# Allegro board 20250806_UNOQ.brd (continued)
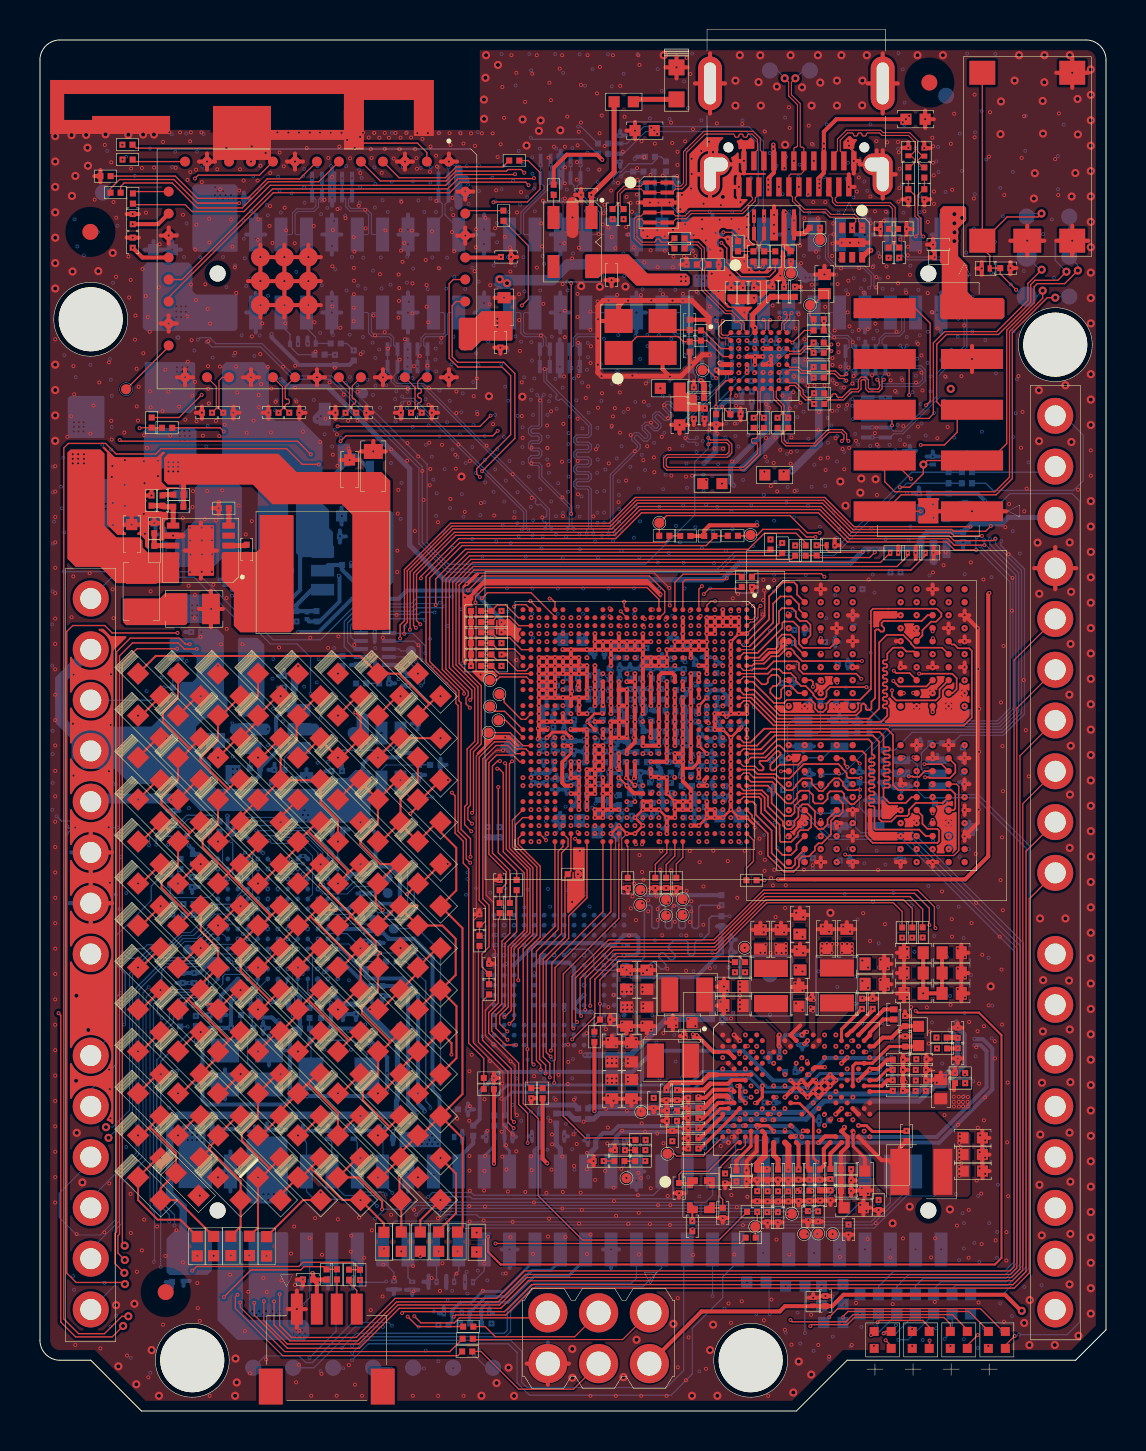
[diagram p0: board, top side]
## Placement (name value [footprint] x y rotation side) (continued)
R2661  220K  [R0201_H030]  32.61 57.35 270 top
R2664  220K  [R0201_H030]  43.45 60.86 0 top
R2665  220K  [R0201_H030]  44.25 60.86 0 top
R2666  2.2K  [R0201_H030]  33.53 13.54 270 bottom
R2667  2.2K  [R0201_H030]  35.57 13.54 270 bottom
R2668  0  [R0201_H030]  36.6 13.54 270 bottom
R2669  0  [R0201_H030]  34.55 13.54 270 bottom
R2670  0  [R0201_H030]  45.11 18.68 90 top
R2671  0  [R0201_H030]  45.14 18.14 90 top
R2701  22  [R0402_H040]  21.85 8.44 180 top
R2702  22  [R0402_H040]  20.89 8.47 180 top
R2703  22  [R0402_H040]  19.95 8.47 180 top
R2704  22  [R0402_H040]  17.21 8.46 180 top
R2705  22  [R0402_H040]  18.08 8.47 180 top
R2706  22  [R0402_H040]  7.87 8.24 180 top
R2707  22  [R0402_H040]  11.34 8.24 180 top
R2708  22  [R0402_H040]  10.48 8.26 180 top
R2709  22  [R0402_H040]  9.55 8.26 180 top
R2710  22  [R0402_H040]  8.69 8.25 180 top
R2711  22  [R0402_H040]  19.03 8.47 180 top
R2712  1K  [R0201_H030]  42.2 32.8 180 bottom
R2713  1K  [R0201_H030]  45.4 33.4 90 bottom
R2714  1K  [R0201_H030]  41.5 34.2 180 bottom
R2715  1K  [R0201_H030]  40.1 35.4 90 bottom
R2716  1K  [R0201_H030]  39.1 31.6 180 bottom
R2717  1K  [R0201_H030]  41.6 31.7 180 bottom
R2723  1.1K_1%  [R0402_H040]  46.56 5.34 0 bottom
R2724  820  [R0402_H040]  45.64 5.34 0 bottom
R2725  1.1K_1%  [R0402_H040]  41.95 5.34 0 bottom
R2726  1.1K_1%  [R0402_H040]  42.87 5.34 0 bottom
R2727  820  [R0402_H040]  44.72 5.34 0 bottom
R2728  1.1K_1%  [R0402_H040]  43.8 5.34 0 bottom
R2729  1.1K_1%  [R0402_H040]  39.11 5.76 0 bottom
R2730  820  [R0402_H040]  37.79 6.25 90 bottom
R2731  1.1K_1%  [R0402_H040]  35.85 6.44 90 bottom
R2732  1.1K_1%  [R0402_H040]  41.03 5.34 0 bottom
R2733  820  [R0402_H040]  40.18 5.84 0 bottom
R2734  1.1K_1%  [R0402_H040]  39.7 4.43 90 bottom
R2735  330  [R0402_H040]  29.21 65.49 90 top
R2801  10K_1%  [R0201_H030]  11.94 40.04 90 bottom
R2802  499K_1%  [R01005_H020]  13.36 39.78 0 bottom
R2803  95.3K_1%  [R0201_H030]  12.83 39.75 180 bottom
R2804  10K_1%  [R0201_H030]  10.75 32.15 90 bottom
R2805  453K_1%  [R0201_H030]  11.6 31.18 0 bottom
R2806  100K  [R0201_H030]  11.98 32.07 90 bottom
R2807  0  [R1206_H080]  7.7 41.5 180 bottom
R2808  10K_1%  [R0201_H030]  15.37 42.32 90 bottom
R2809  10K_1%  [R0201_H030]  14.22 46.58 270 bottom
R2810  10K_1%  [R0201_H030]  17.19 41.62 0 bottom
R2811  301K_1%  [R0201_H030]  5.72 43.02 180 top
R2812  100K  [R0201_H030]  5.72 44.16 180 top
R2813  0  [R0201_H030]  9.2 45.16 270 top
R2814  100K  [R0201_H030]  6.92 45.23 270 top
R2815  19.1K_1%  [R0201_H030]  5.58 45.54 180 top
R2816  1K  [R0201_H030]  6.93 45.84 270 top
R2817  0  [R0603_H060]  8.9 31.84 90 bottom
R2901  0  [R0201_H030]  23.73 62.55 270 top
R2902  0  [R0201_H030]  3.78 60.94 90 top
R2903  0  [R0201_H030]  5.59 49.44 180 top
R2904  0  [R0201_H030]  4.38 63.34 90 top
R2905  0  [R0201_H030]  4.38 62.6 90 top
R2906  0  [R0201_H030]  4.65 60.65 180 top
R2908  0  [R0201_H030]  23.19 59.79 180 top
R2909  0  [R0201_H030]  3.28 61.77 90 top
R3001  1M  [R0201_H030]  33.83 49.61 0 top
R3002  1M  [R0201_H030]  34.8 49.86 90 top
R3003  0  [R0201_H030]  34.93 58.27 0 top
R3004  0  [R0201_H030]  36.79 57.76 180 top
R3005  0  [R0201_H030]  37.56 57.76 180 top
R3006  0  [R0201_H030]  38.77 59.19 270 top
R3007  1M  [R0201_H030]  33.07 53.8 0 top
R3009  0  [R0402_H040]  39.05 51.38 0 bottom
R3010  0  [R0402_H040]  33.64 46.39 270 top
R3011  0  [R0402_H040]  36.75 46.82 270 top
R3012  0  [R0402_H040]  36.87 50.75 90 bottom
R3013  0  [R0402_H040]  31.52 51.16 90 top
R3014  0  [R0201_H030]  34.67 43.78 90 top
R3015  0  [R0201_H030]  31.24 43.78 270 top
R3016  0  [R0201_H030]  37.14 43.17 180 top
R3017  0  [R0201_H030]  37.79 43.04 180 top
R3018  0  [R0201_H030]  36.55 43.34 180 top
R3019  39.2K_1%  [R0201_H030]  32.97 50.67 90 top
R3020  5.6K_1%  [R0201_H030]  32.97 51.21 270 top
R3022  2.2K  [R0201_H030]  35.85 52.15 90 bottom
R3023  2.2K  [R0201_H030]  38.96 54.61 270 top
R3024  10K_1%  [R0201_H030]  25.7 61.09 0 top
R3025  4.7K  [R0201_H030]  38.96 54.05 270 top
R3026  2.2K  [R0201_H030]  32.29 43.77 270 top
R3027  2.2K  [R0201_H030]  33.49 43.77 90 top
R3028  0  [R0201_H030]  35.37 41.73 270 top
RT701  NCP03WF104F05RL  [TRES0201_H030]  39.24 14.53 90 bottom
RT1901  NCP03WF104F05RL  [TRES0201_H030]  41.96 10.31 0 top
SB701  SB2P  [SB0201]  36.19 15.44 180 top
SB1001  SB2P  [SB0201]  30.75 20.04 90 top
SB1002  SB2P  [SB0201]  30.78 19.52 90 top
SB1003  SB2P  [SB0201]  29.99 17.62 90 top
SB1004  SB2P  [SB0201]  29.99 18.13 90 top
SB1701  SB2P  [SB0201]  26.99 29.02 0 top
SB1702  SB2P  [SB0201]  26.44 29.02 0 top
SB1801  SB2P  [SB0201]  26.75 38.85 0 top
SB1802  SB2P  [SB0201]  26.3 38.85 0 top
SB2801  SB2P  [SB0201#2]  11.97 39.19 90 bottom
SOC1  QRB-2210-0-NSP752-TR-00-0  [BGA752_120X124_0D4_H10]  29.77 34.28 90 top
TP601  TP  [TP20MIL]  38.94 8.88 0 top
TP602  TP  [TP20MIL]  38.23 8.85 0 top
TP701  TP  [TP20MIL]  31.4 12.87 0 top
TP702  TP  [TP20MIL]  29.34 11.65 0 top
TP703  TP  [TP20MIL]  39.66 8.85 0 top
TP704  TP  [TP20MIL]  37.62 9.87 0 top
TP705  TP  [TP20MIL]  30.09 14.96 0 top
TP706  TP  [TP20MIL]  35.79 9.22 0 top
TP1203  TP  [TP20MIL]  32.16 24.81 0 top
TP1204  TP  [TP20MIL]  32.16 25.61 0 top
TP1205  TP  [TP20MIL]  31.33 25.58 0 top
TP1206  TP  [TP20MIL]  31.33 24.78 0 top
TP1207  TP  [TP32MIL_OSP]  10.67 2.17 180 bottom
TP1208  TP  [TP32MIL_OSP]  12.67 2.17 180 bottom
TP1209  TP  [TP32MIL_OSP]  14.67 2.17 180 bottom
TP1210  TP  [TP32MIL_OSP]  16.67 2.17 180 bottom
TP1211  TP  [TP32MIL_OSP]  18.67 2.17 180 bottom
TP1212  TP  [TP32MIL_OSP]  20.67 2.17 180 bottom
TP1213  TP  [TP32MIL_OSP]  22.67 2.17 180 bottom
TP1301  TP  [TP20MIL]  35.26 23.17 0 top
TP1310  TP  [TP20MIL]  22.99 35.86 90 top
TP1311  TP  [TP20MIL]  22.45 33.93 90 top
TP1313  TP  [TP20MIL]  22.94 34.55 90 top
TP1314  TP  [TP20MIL]  22.52 35.24 90 top
TP1315  TP  [TP20MIL]  22.51 36.56 0 top
TP1501  TP  [TP20MIL]  30.04 25.32 0 top
TP1502  TP  [TP20MIL]  30.04 26.07 0 top
TP2501  TP  [TP20MIL]  17.4 26.67 0 bottom
TP2502  TP  [TP20MIL]  18.56 38.02 270 bottom
TP2503  TP  [TP20MIL]  17.4 25.91 0 bottom
TP2504  TP  [TP20MIL]  17.7 24.13 270 bottom
TP2506  TP  [TP20MIL]  7.41 23.08 270 bottom
TP2602  TP  [TP20MIL]  6.65 36.94 180 bottom
TP2603  TP  [TP20MIL]  6.31 42.62 180 bottom
TP2610  TP  [TP32MIL_OSP]  23.6 33.26 180 bottom
TP2611  TP  [TP32MIL_OSP]  51.5 55.75 180 bottom
TP2612  TP  [TP32MIL_OSP]  36.52 67.05 180 bottom
TP2613  TP  [TP32MIL_OSP]  38.52 67.05 180 bottom
TP2614  TP  [TP32MIL_OSP]  49.37 59.75 180 bottom
TP2615  TP  [TP40MIL]  49.37 55.75 180 bottom
TP2616  TP  [TP40MIL]  49.37 57.75 180 bottom
TP2617  TP  [TP32MIL_OSP]  51.5 59.75 180 bottom
TP2618  TP  [TP32MIL_OSP]  51.5 57.75 180 bottom
TP2901  TP  [TP20MIL]  4.31 51.11 0 top
TP3001  TP  [TP20MIL]  16.17 50.9 180 bottom
TP3002  TP  [TP20MIL]  35.55 43.82 0 top
TP3003  TP  [TP20MIL]  30.99 44.43 0 top
TP3004  TP  [TP20MIL]  37.58 56.91 0 top
TP3005  TP  [TP20MIL]  39.03 58.58 0 top
TP3006  TP  [TP20MIL]  38.53 55.32 0 top
TP3007  TP  [TP20MIL]  33.15 52.07 0 top
U1101  TXS0104ERUTR_QFN12P  [QFN12P_20X17_04_H060]  16.75 38.12 180 bottom
U1102  TXS0101DBVR_SOT23_6P  [SOT23_6P_29X28_H150]  17.09 32.69 90 bottom
U2501  74LVC1G3157DW-7_SOT363_6P  [SOT363_6P_21X20_H110]  44.71 44.01 270 bottom
U2601  RCLAMP0524PATCT  [DFN10P_25X10_05_H070_SE]  30.95 60.45 180 top
U2602  RCLAMP0524PATCT  [DFN10P_25X10_05_H070_SE]  36.73 59.33 270 top
U2604  RCLAMP3654PATCT_DFN6P  [DFN6P_16_PAD13X05_05H070P13X045]  40.64 58.45 90 top
U2605  RCLAMP0524PATCT  [DFN10P_25X10_05_H070_SE]  14.62 61.22 90 bottom
U2606  RCLAMP0524PATCT  [DFN10P_25X10_05_H070_SE]  33.63 52.68 270 bottom
U2607  RCLAMP0522P.TCT  [DFN6P_16X10_05_H070]  20.44 61.22 90 bottom
U2608  RCLAMP0524PATCT  [DFN10P_25X10_05_H070_SE]  26.05 62.12 90 bottom
U2609  RCLAMP0524PATCT  [DFN10P_25X10_05_H070_SE]  18.39 52.68 270 bottom
U2610  RCLAMP0524PATCT  [DFN10P_25X10_05_H070_SE]  26.01 52.68 270 bottom
U2611  RCLAMP0524PATCT  [DFN10P_25X10_05_H070_SE]  41.86 49.7 0 bottom
U2612  RCLAMP0524PATCT  [DFN10P_25X10_05_H070_SE]  41.3 52.58 270 bottom
U2801  TPS62A02APDDCR_SOT23_6P  [SOT23_6P_29X28_H110]  12.92 42.03 180 bottom
U2802  TPS62A02APDDCR_SOT23_6P  [SOT23_6P_29X28_H110]  11.74 34.1 180 bottom
U2803  LMR51440SDRRR_DFN12P  [DFN12_30_0D5_H08_P25X13_DRR]  8.05 43.04 0 top
U2901  WCBN3536A_MODULE51P  [MODULE51_160X120_1D1_H26_LITEON]  13.86 57.13 90 top
U3001  ANX7625BN-AC-R_BGA64P  [BGA64P_40_04_H090]  35.97 52.54 180 top
U3004  TPS7A2030PDBVR_SOT23_5P  [SOT23_5P_29X28_H150]  26.65 58.48 270 top
Y701  38.4M_X1.6X1.2  [XTAL4P_16X12_H070_TXC]  33.07 10.79 180 top
Y2501  16M_X3.2X2.5  [XTAL4P_32X25_H080]  10.36 17.19 270 bottom
Y2502  32.768K_X3.2X1.5  [XTAL2P_32X15_H090]  14.96 16.87 270 bottom
Y3001  27M_X3.2X2.5  [XTAL4P_32X25_H080_HOSONIC]  30.05 53.73 270 top

## Library data of the parts
ANT1 = CLIP2P
C501-C514 C601-C610 C701-C721 C801-C832 C901 C902 C1001-C1012 C1101-C1106 C1201-C1203 C1601-C1604 C1701-C1725 C1727-C1743 C1801-C1831 C1833-C1851 C1901-C1940 C2101-C2107 C2201-C2220 C2501-C2529 C2601-C2605 C2607-C2611 C2614-C2633 C2701-C2706 C2801-C2816 C2901 C2907 C2909 C2911 C2912 C2921-C2924 C3001-C3018 C3021 C3022 C3025-C3028 = CAP_NP
C3019 C3020 = CAP_NP: signal model: CAP_NP_78.10423.L15_C0201_H030__100NF/10V
D2801-D2803 = DIODE_SCHOTTKY
D26001-D26003 D26005-D26009 D26017 D26046-D26051 D26063-D26067 D26069-D26076 D26087-D26094 D26097 D26099-D26105 = DIODE_ESD_BI
D26201 = PJGBLC24C_SOD323FL
D27001-D27104 D27201 = LED
D27301 D27302 D27401 D27402 = LED4P_RED_BLU_GRN_A1
DRAM1 = MT53E512M32D1ZW-046_WT_B
EMMC1 = EMMC16G-MW28-GA01_BGA153P
F501 = BEAD
JANALOG1 = WTB14P_NP2P_0
JBTN1 = TS-A57AHNP-2-W-S085_SW5P
JCTL1 = HEAD2X5P
JDIGITAL1 = HEAD20P_1
JMEDIA1 JMISC1 = HEAD2X30P_F_R
JSPI1 = HEAD2X3P_M
JUSB1 = USB3-24CSW-R9H-H_USB2X12P
L601 L2801 L2802 = L
L1001-L1004 L2803 = CHOKE
MCU1 = STM32U585AII6TR_BGA169P_2
PMIC1 = PM-4125-3-NSP194-TR-01-0_11
Q2707-Q2709 = NPNX2_E2B2C1E1B1C2
Q2801 = PMOSFET_GSD
Q2802 = NPN_BEC
QWIIC1 = WTB4P_NP2P
R501-R503 R601 R603-R607 R701-R703 R705-R709 R901 R902 R1101 R1102 R1201-R1206 R1208 R1301-R1321 R1401 R1522 R1601 R1602 R2113 R2114 R2201 R2202 R2501-R2509 R2511-R2516 R2605-R2619 R2621-R2626 R2631-R2646 R2660 R2661 R2664-R2671 R2701-R2717 R2723-R2735 R2801-R2817 R2901-R2906 R2908 R2909 R3001-R3007 R3009-R3020 R3022-R3028 = RES
R1207 = RES: signal model: RES_63.22038.1F1_R0201_H030_22__22
R1501-R1510 = RES: signal model: RES_DNP_63.R0038.1F1_R0201_H030_0
RT701 RT1901 = TRES
SB701 SB1001-SB1004 SB1701 SB1702 SB1801 SB1802 SB2801 = SB2P
SOC1 = QRB-2210-0-NSP752-TR-00-0_43
TP601 TP602 TP701-TP706 TP1203-TP1213 TP1301 TP1310 TP1311 TP1313-TP1315 TP1501 TP1502 TP2501-TP2504 TP2506 TP2602 TP2603 TP2610-TP2618 TP2901 TP3001-TP3007 = TP
U1101 = TXS0104ERUTR_QFN12P
U1102 = TXS0101DBVR_SOT23_6P
U2501 = 74LVC1G3157DW-7_SOT363_1
U2601 U2602 U2605 U2606 U2608-U2612 = RCLAMP0524PATCT_DFN10P
U2604 = RCLAMP3654PATCT_DFN6P
U2607 = RCLAMP0522P.TCT_DFN6P
U2801 U2802 = TPS62A02APDDCR_SOT23_6P
U2803 = LMR51440SDRRR_DFN12P_1
U2901 = WCBN3536A_MODULE51P
U3001 = ANX7625BN-AC-R_BGA64P
U3004 = TPS7A2030PDBVR_SOT23_5P
Y701 = OW38470002_XTAL4P
Y2501 Y3001 = XTAL4P_P13
Y2502 = XTAL

## Footprints (pads in the part's own frame, mm; a bottom-side part is the same pattern mirrored in y, then rotated)
ANT2_1920X400
  rect 1x0.5 smd: 1(0,0)
  custom 1x1 smd: 2(-5.6,-0.25)
BEAD0402_H060
  rect 0.559x0.559 smd: 1(0,0.483) 2(0,-0.483)
BGA64P_40_04_H090
  round 0.25 smd: A1(1.4,-1.4) A2(1,-1.4) A3(0.6,-1.4) A4(0.2,-1.4) A5(-0.2,-1.4) A6(-0.6,-1.4) A7(-1,-1.4) A8(-1.4,-1.4) B1(1.4,-1) B2(1,-1) B3(0.6,-1) B4(0.2,-1) B5(-0.2,-1) B6(-0.6,-1) B7(-1,-1) B8(-1.4,-1) C1(1.4,-0.6) C2(1,-0.6) C3(0.6,-0.6) C4(0.2,-0.6) C5(-0.2,-0.6) C6(-0.6,-0.6) C7(-1,-0.6) C8(-1.4,-0.6) D1(1.4,-0.2) D2(1,-0.2) D3(0.6,-0.2) D4(0.2,-0.2) D5(-0.2,-0.2) D6(-0.6,-0.2) D7(-1,-0.2) D8(-1.4,-0.2) E1(1.4,0.2) E2(1,0.2) E3(0.6,0.2) E4(0.2,0.2) E5(-0.2,0.2) E6(-0.6,0.2) E7(-1,0.2) E8(-1.4,0.2) F1(1.4,0.6) F2(1,0.6) F3(0.6,0.6) F4(0.2,0.6) F5(-0.2,0.6) F6(-0.6,0.6) F7(-1,0.6) F8(-1.4,0.6) G1(1.4,1) G2(1,1) G3(0.6,1) G4(0.2,1) G5(-0.2,1) G6(-0.6,1) G7(-1,1) G8(-1.4,1) H1(1.4,1.4) H2(1,1.4) H3(0.6,1.4) H4(0.2,1.4) H5(-0.2,1.4) H6(-0.6,1.4) H7(-1,1.4) H8(-1.4,1.4)
BGA153P_130X115_05_H090
  round 0.25 smd: A1(3.25,-3.25) A2(2.75,-3.25) A3(2.25,-3.25) A4(1.75,-3.25) A5(1.25,-3.25) A6(0.75,-3.25) A7(0.25,-3.25) A8(-0.25,-3.25) A9(-0.75,-3.25) A10(-1.25,-3.25) A11(-1.75,-3.25) A12(-2.25,-3.25) A13(-2.75,-3.25) A14(-3.25,-3.25) B1(3.25,-2.75) B2(2.75,-2.75) B3(2.25,-2.75) B4(1.75,-2.75) B5(1.25,-2.75) B6(0.75,-2.75) B7(0.25,-2.75) B8(-0.25,-2.75) B9(-0.75,-2.75) B10(-1.25,-2.75) B11(-1.75,-2.75) B12(-2.25,-2.75) B13(-2.75,-2.75) B14(-3.25,-2.75) C1(3.25,-2.25) C2(2.75,-2.25) C3(2.25,-2.25) C4(1.75,-2.25) C5(1.25,-2.25) C6(0.75,-2.25) C7(0.25,-2.25) C8(-0.25,-2.25) C9(-0.75,-2.25) C10(-1.25,-2.25) C11(-1.75,-2.25) C12(-2.25,-2.25) C13(-2.75,-2.25) C14(-3.25,-2.25) D1(3.25,-1.75) D2(2.75,-1.75) D3(2.25,-1.75) D4(1.75,-1.75) D12(-2.25,-1.75) D13(-2.75,-1.75) D14(-3.25,-1.75) E1(3.25,-1.25) E2(2.75,-1.25) E3(2.25,-1.25) E5(1.25,-1.25) E6(0.75,-1.25) E7(0.25,-1.25) E8(-0.25,-1.25) E9(-0.75,-1.25) E10(-1.25,-1.25) E12(-2.25,-1.25) E13(-2.75,-1.25) E14(-3.25,-1.25) F1(3.25,-0.75) F2(2.75,-0.75) F3(2.25,-0.75) F5(1.25,-0.75) F10(-1.25,-0.75) F12(-2.25,-0.75) F13(-2.75,-0.75) F14(-3.25,-0.75) G1(3.25,-0.25) G2(2.75,-0.25) G3(2.25,-0.25) G5(1.25,-0.25) G10(-1.25,-0.25) G12(-2.25,-0.25) G13(-2.75,-0.25) G14(-3.25,-0.25) H1(3.25,0.25) H2(2.75,0.25) H3(2.25,0.25) H5(1.25,0.25) H10(-1.25,0.25) H12(-2.25,0.25) H13(-2.75,0.25) H14(-3.25,0.25) J1(3.25,0.75) J2(2.75,0.75) J3(2.25,0.75) J5(1.25,0.75) J10(-1.25,0.75) J12(-2.25,0.75) J13(-2.75,0.75) J14(-3.25,0.75) K1(3.25,1.25) K2(2.75,1.25) K3(2.25,1.25) K5(1.25,1.25) K6(0.75,1.25) K7(0.25,1.25) K8(-0.25,1.25) K9(-0.75,1.25) K10(-1.25,1.25) K12(-2.25,1.25) K13(-2.75,1.25) K14(-3.25,1.25) L1(3.25,1.75) L2(2.75,1.75) L3(2.25,1.75) L12(-2.25,1.75) L13(-2.75,1.75) L14(-3.25,1.75) M1(3.25,2.25) M2(2.75,2.25) M3(2.25,2.25) M4(1.75,2.25) M5(1.25,2.25) M6(0.75,2.25) M7(0.25,2.25) M8(-0.25,2.25) M9(-0.75,2.25) M10(-1.25,2.25) M11(-1.75,2.25) M12(-2.25,2.25) M13(-2.75,2.25) M14(-3.25,2.25) N1(3.25,2.75) N2(2.75,2.75) N3(2.25,2.75) N4(1.75,2.75) N5(1.25,2.75) N6(0.75,2.75) N7(0.25,2.75) N8(-0.25,2.75) N9(-0.75,2.75) N10(-1.25,2.75) N11(-1.75,2.75) N12(-2.25,2.75) N13(-2.75,2.75) N14(-3.25,2.75) P1(3.25,3.25) P2(2.75,3.25) P3(2.25,3.25) P4(1.75,3.25) P5(1.25,3.25) P6(0.75,3.25) P7(0.25,3.25) P8(-0.25,3.25) P9(-0.75,3.25) P10(-1.25,3.25) P11(-1.75,3.25) P12(-2.25,3.25) P13(-2.75,3.25) P14(-3.25,3.25)
BGA169_70_0D5_H06
  round 0.25 smd: A1(3,-3) A2(2.5,-3) A3(2,-3) A4(1.5,-3) A5(1,-3) A6(0.5,-3) A7(0,-3) A8(-0.5,-3) A9(-1,-3) A10(-1.5,-3) A11(-2,-3) A12(-2.5,-3) A13(-3,-3) B1(3,-2.5) B2(2.5,-2.5) B3(2,-2.5) B4(1.5,-2.5) B5(1,-2.5) B6(0.5,-2.5) B7(0,-2.5) B8(-0.5,-2.5) B9(-1,-2.5) B10(-1.5,-2.5) B11(-2,-2.5) B12(-2.5,-2.5) B13(-3,-2.5) C1(3,-2) C2(2.5,-2) C3(2,-2) C4(1.5,-2) C5(1,-2) C6(0.5,-2) C7(0,-2) C8(-0.5,-2) C9(-1,-2) C10(-1.5,-2) C11(-2,-2) C12(-2.5,-2) C13(-3,-2) D1(3,-1.5) D2(2.5,-1.5) D3(2,-1.5) D4(1.5,-1.5) D5(1,-1.5) D6(0.5,-1.5) D7(0,-1.5) D8(-0.5,-1.5) D9(-1,-1.5) D10(-1.5,-1.5) D11(-2,-1.5) D12(-2.5,-1.5) D13(-3,-1.5) E1(3,-1) E2(2.5,-1) E3(2,-1) E4(1.5,-1) E5(1,-1) E6(0.5,-1) E7(0,-1) E8(-0.5,-1) E9(-1,-1) E10(-1.5,-1) E11(-2,-1) E12(-2.5,-1) E13(-3,-1) F1(3,-0.5) F2(2.5,-0.5) F3(2,-0.5) F4(1.5,-0.5) F5(1,-0.5) F6(0.5,-0.5) F7(0,-0.5) F8(-0.5,-0.5) F9(-1,-0.5) F10(-1.5,-0.5) F11(-2,-0.5) F12(-2.5,-0.5) F13(-3,-0.5) G1(3,0) G2(2.5,0) G3(2,0) G4(1.5,0) G5(1,0) G6(0.5,0) G7(0,0) G8(-0.5,0) G9(-1,0) G10(-1.5,0) G11(-2,0) G12(-2.5,0) G13(-3,0) H1(3,0.5) H2(2.5,0.5) H3(2,0.5) H4(1.5,0.5) H5(1,0.5) H6(0.5,0.5) H7(0,0.5) H8(-0.5,0.5) H9(-1,0.5) H10(-1.5,0.5) H11(-2,0.5) H12(-2.5,0.5) H13(-3,0.5) J1(3,1) J2(2.5,1) J3(2,1) J4(1.5,1) J5(1,1) J6(0.5,1) J7(0,1) J8(-0.5,1) J9(-1,1) J10(-1.5,1) J11(-2,1) J12(-2.5,1) J13(-3,1) K1(3,1.5) K2(2.5,1.5) K3(2,1.5) K4(1.5,1.5) K5(1,1.5) K6(0.5,1.5) K7(0,1.5) K8(-0.5,1.5) K9(-1,1.5) K10(-1.5,1.5) K11(-2,1.5) K12(-2.5,1.5) K13(-3,1.5) L1(3,2) L2(2.5,2) L3(2,2) L4(1.5,2) L5(1,2) L6(0.5,2) L7(0,2) L8(-0.5,2) L9(-1,2) L10(-1.5,2) L11(-2,2) L12(-2.5,2) L13(-3,2) M1(3,2.5) M2(2.5,2.5) M3(2,2.5) M4(1.5,2.5) M5(1,2.5) M6(0.5,2.5) M7(0,2.5) M8(-0.5,2.5) M9(-1,2.5) M10(-1.5,2.5) M11(-2,2.5) M12(-2.5,2.5) M13(-3,2.5) N1(3,3) N2(2.5,3) N3(2,3) N4(1.5,3) N5(1,3) N6(0.5,3) N7(0,3) N8(-0.5,3) N9(-1,3) N10(-1.5,3) N11(-2,3) N12(-2.5,3) N13(-3,3)
BGA194_67X83_0D566_H10_QUALCOMM
  round 0.25 smd: A1(3.679,-2.689) A3(3.113,-2.689) A5(2.547,-2.689) A7(1.981,-2.689) A11(0.849,-2.689) A13(0.283,-2.689) A15(-0.283,-2.689) A17(-0.849,-2.689) A19(-1.415,-2.689) A21(-1.981,-2.689) A23(-2.547,-2.689) A25(-3.113,-2.689) A27(-3.679,-2.689) B2(3.396,-2.405) B4(2.83,-2.405) B6(2.264,-2.405) B8(1.698,-2.405) B12(0.566,-2.405) B14(0,-2.405) B16(-0.566,-2.405) B18(-1.132,-2.405) B22(-2.264,-2.405) B24(-2.83,-2.405) B26(-3.396,-2.405) C1(3.679,-2.122) C3(3.113,-2.122) C5(2.547,-2.122) C7(1.981,-2.122) C11(0.849,-2.122) C13(0.283,-2.122) C17(-0.849,-2.122) C19(-1.415,-2.122) C21(-1.981,-2.122) C23(-2.547,-2.122) C25(-3.113,-2.122) C27(-3.679,-2.122) D2(3.396,-1.839) D4(2.83,-1.839) D6(2.264,-1.839) D8(1.698,-1.839) D10(1.132,-1.839) D12(0.566,-1.839) D22(-2.264,-1.839) D24(-2.83,-1.839) D26(-3.396,-1.839) E1(3.679,-1.556) E3(3.113,-1.556) E5(2.547,-1.556) E7(1.981,-1.556) E9(1.415,-1.556) E11(0.849,-1.556) E15(-0.283,-1.556) E19(-1.415,-1.556) E21(-1.981,-1.556) E23(-2.547,-1.556) E27(-3.679,-1.556) F2(3.396,-1.274) F4(2.83,-1.274) F6(2.264,-1.274) F8(1.698,-1.274) F10(1.132,-1.274) F14(0,-1.274) F16(-0.566,-1.274) F22(-2.264,-1.274) F26(-3.396,-1.274) G1(3.679,-0.991) G3(3.113,-0.991) G5(2.547,-0.991) G7(1.981,-0.991) G11(0.849,-0.991) G15(-0.283,-0.991) G17(-0.849,-0.991) G23(-2.547,-0.991) G25(-3.113,-0.991) G27(-3.679,-0.991) H6(2.264,-0.707) H8(1.698,-0.707) H12(0.566,-0.707) H16(-0.566,-0.707) H20(-1.698,-0.707) H22(-2.264,-0.707) J5(2.547,-0.424) J13(0.283,-0.424) J15(-0.283,-0.424) J17(-0.849,-0.424) J19(-1.415,-0.424) J21(-1.981,-0.424) J23(-2.547,-0.424) J25(-3.113,-0.424) J27(-3.679,-0.424) K4(2.83,-0.141) K6(2.264,-0.141) K8(1.698,-0.141) K10(1.132,-0.141) K12(0.566,-0.141) K14(0,-0.141) K16(-0.566,-0.141) K18(-1.132,-0.141) K20(-1.698,-0.141) K22(-2.264,-0.141) K24(-2.83,-0.141) K26(-3.396,-0.141) L3(3.113,0.141) L5(2.547,0.141) L7(1.981,0.141) L13(0.283,0.141) L15(-0.283,0.141) L17(-0.849,0.141) L19(-1.415,0.141) L21(-1.981,0.141) L27(-3.679,0.141) M2(3.396,0.424) M6(2.264,0.424) M10(1.132,0.424) M12(0.566,0.424) M14(0,0.424) M16(-0.566,0.424) M18(-1.132,0.424) M20(-1.698,0.424) M22(-2.264,0.424) M24(-2.83,0.424) N3(3.113,0.707) N5(2.547,0.707) N7(1.981,0.707) N9(1.415,0.707) N13(0.283,0.707) N17(-0.849,0.707) N21(-1.981,0.707) N23(-2.547,0.707) N27(-3.679,0.707) P2(3.396,0.991) P4(2.83,0.991) P8(1.698,0.991) P10(1.132,0.991) P12(0.566,0.991) P18(-1.132,0.991) P22(-2.264,0.991) P24(-2.83,0.991) P26(-3.396,0.991) R1(3.679,1.274) R5(2.547,1.274) R7(1.981,1.274) R9(1.415,1.274) R11(0.849,1.274) R15(-0.283,1.274) R19(-1.415,1.274) R21(-1.981,1.274) R23(-2.547,1.274) R25(-3.113,1.274) R27(-3.679,1.274) T4(2.83,1.556) T6(2.264,1.556) T8(1.698,1.556) T10(1.132,1.556) T20(-1.698,1.556) T22(-2.264,1.556) T24(-2.83,1.556) U3(3.113,1.839) U5(2.547,1.839) U7(1.981,1.839) U13(0.283,1.839) U19(-1.415,1.839) U25(-3.113,1.839) V2(3.396,2.122) V4(2.83,2.122) V6(2.264,2.122) V8(1.698,2.122) V10(1.132,2.122) V12(0.566,2.122) V16(-0.566,2.122) V18(-1.132,2.122) V22(-2.264,2.122) V24(-2.83,2.122) V26(-3.396,2.122) W1(3.679,2.405) W3(3.113,2.405) W5(2.547,2.405) W7(1.981,2.405) W13(0.283,2.405) W15(-0.283,2.405) W21(-1.981,2.405) W23(-2.547,2.405) W25(-3.113,2.405) W27(-3.679,2.405) Y2(3.396,2.689) Y4(2.83,2.689) Y10(1.132,2.689) Y12(0.566,2.689) Y14(0,2.689) Y16(-0.566,2.689) Y18(-1.132,2.689) Y20(-1.698,2.689) Y22(-2.264,2.689) Y26(-3.396,2.689)
BGA200P_145X100_H110
  round 0.325 smd: A1(4.4,-6.825) A2(3.6,-6.825) A3(2.8,-6.825) A4(2,-6.825) A5(1.2,-6.825) A8(-1.2,-6.825) A9(-2,-6.825) A10(-2.8,-6.825) A11(-3.6,-6.825) A12(-4.4,-6.825) AA1(4.4,6.175) AA2(3.6,6.175) AA3(2.8,6.175) AA4(2,6.175) AA5(1.2,6.175) AA8(-1.2,6.175) AA9(-2,6.175) AA10(-2.8,6.175) AA11(-3.6,6.175) AA12(-4.4,6.175) AB1(4.4,6.825) AB2(3.6,6.825) AB3(2.8,6.825) AB4(2,6.825) AB5(1.2,6.825) AB8(-1.2,6.825) AB9(-2,6.825) AB10(-2.8,6.825) AB11(-3.6,6.825) AB12(-4.4,6.825) B1(4.4,-6.175) B2(3.6,-6.175) B3(2.8,-6.175) B4(2,-6.175) B5(1.2,-6.175) B8(-1.2,-6.175) B9(-2,-6.175) B10(-2.8,-6.175) B11(-3.6,-6.175) B12(-4.4,-6.175) C1(4.4,-5.525) C2(3.6,-5.525) C3(2.8,-5.525) C4(2,-5.525) C5(1.2,-5.525) C8(-1.2,-5.525) C9(-2,-5.525) C10(-2.8,-5.525) C11(-3.6,-5.525) C12(-4.4,-5.525) D1(4.4,-4.875) D2(3.6,-4.875) D3(2.8,-4.875) D4(2,-4.875) D5(1.2,-4.875) D8(-1.2,-4.875) D9(-2,-4.875) D10(-2.8,-4.875) D11(-3.6,-4.875) D12(-4.4,-4.875) E1(4.4,-4.225) E2(3.6,-4.225) E3(2.8,-4.225) E4(2,-4.225) E5(1.2,-4.225) E8(-1.2,-4.225) E9(-2,-4.225) E10(-2.8,-4.225) E11(-3.6,-4.225) E12(-4.4,-4.225) F1(4.4,-3.575) F2(3.6,-3.575) F3(2.8,-3.575) F4(2,-3.575) F5(1.2,-3.575) F8(-1.2,-3.575) F9(-2,-3.575) F10(-2.8,-3.575) F11(-3.6,-3.575) F12(-4.4,-3.575) G1(4.4,-2.925) G2(3.6,-2.925) G3(2.8,-2.925) G4(2,-2.925) G5(1.2,-2.925) G8(-1.2,-2.925) G9(-2,-2.925) G10(-2.8,-2.925) G11(-3.6,-2.925) G12(-4.4,-2.925) H1(4.4,-2.275) H2(3.6,-2.275) H3(2.8,-2.275) H4(2,-2.275) H5(1.2,-2.275) H8(-1.2,-2.275) H9(-2,-2.275) H10(-2.8,-2.275) H11(-3.6,-2.275) H12(-4.4,-2.275) J1(4.4,-1.625) J2(3.6,-1.625) J3(2.8,-1.625) J4(2,-1.625) J5(1.2,-1.625) J8(-1.2,-1.625) J9(-2,-1.625) J10(-2.8,-1.625) J11(-3.6,-1.625) J12(-4.4,-1.625) K1(4.4,-0.975) K2(3.6,-0.975) K3(2.8,-0.975) K4(2,-0.975) K5(1.2,-0.975) K8(-1.2,-0.975) K9(-2,-0.975) K10(-2.8,-0.975) K11(-3.6,-0.975) K12(-4.4,-0.975) N1(4.4,0.975) N2(3.6,0.975) N3(2.8,0.975) N4(2,0.975) N5(1.2,0.975) N8(-1.2,0.975) N9(-2,0.975) N10(-2.8,0.975) N11(-3.6,0.975) N12(-4.4,0.975) P1(4.4,1.625) P2(3.6,1.625) P3(2.8,1.625) P4(2,1.625) P5(1.2,1.625) P8(-1.2,1.625) P9(-2,1.625) P10(-2.8,1.625) P11(-3.6,1.625) P12(-4.4,1.625) R1(4.4,2.275) R2(3.6,2.275) R3(2.8,2.275) R4(2,2.275) R5(1.2,2.275) R8(-1.2,2.275) R9(-2,2.275) R10(-2.8,2.275) R11(-3.6,2.275) R12(-4.4,2.275) T1(4.4,2.925) T2(3.6,2.925) T3(2.8,2.925) T4(2,2.925) T5(1.2,2.925) T8(-1.2,2.925) T9(-2,2.925) T10(-2.8,2.925) T11(-3.6,2.925) T12(-4.4,2.925) U1(4.4,3.575) U2(3.6,3.575) U3(2.8,3.575) U4(2,3.575) U5(1.2,3.575) U8(-1.2,3.575) U9(-2,3.575) U10(-2.8,3.575) U11(-3.6,3.575) U12(-4.4,3.575) V1(4.4,4.225) V2(3.6,4.225) V3(2.8,4.225) V4(2,4.225) V5(1.2,4.225) V8(-1.2,4.225) V9(-2,4.225) V10(-2.8,4.225) V11(-3.6,4.225) V12(-4.4,4.225) W1(4.4,4.875) W2(3.6,4.875) W3(2.8,4.875) W4(2,4.875) W5(1.2,4.875) W8(-1.2,4.875) W9(-2,4.875) W10(-2.8,4.875) W11(-3.6,4.875) W12(-4.4,4.875) Y1(4.4,5.525) Y2(3.6,5.525) Y3(2.8,5.525) Y4(2,5.525) Y5(1.2,5.525) Y8(-1.2,5.525) Y9(-2,5.525) Y10(-2.8,5.525) Y11(-3.6,5.525) Y12(-4.4,5.525)
BGA752_120X124_0D4_H10